# KiCad board HYDRA_VMM3_Adapter_V3.kicad_pcb (continued)
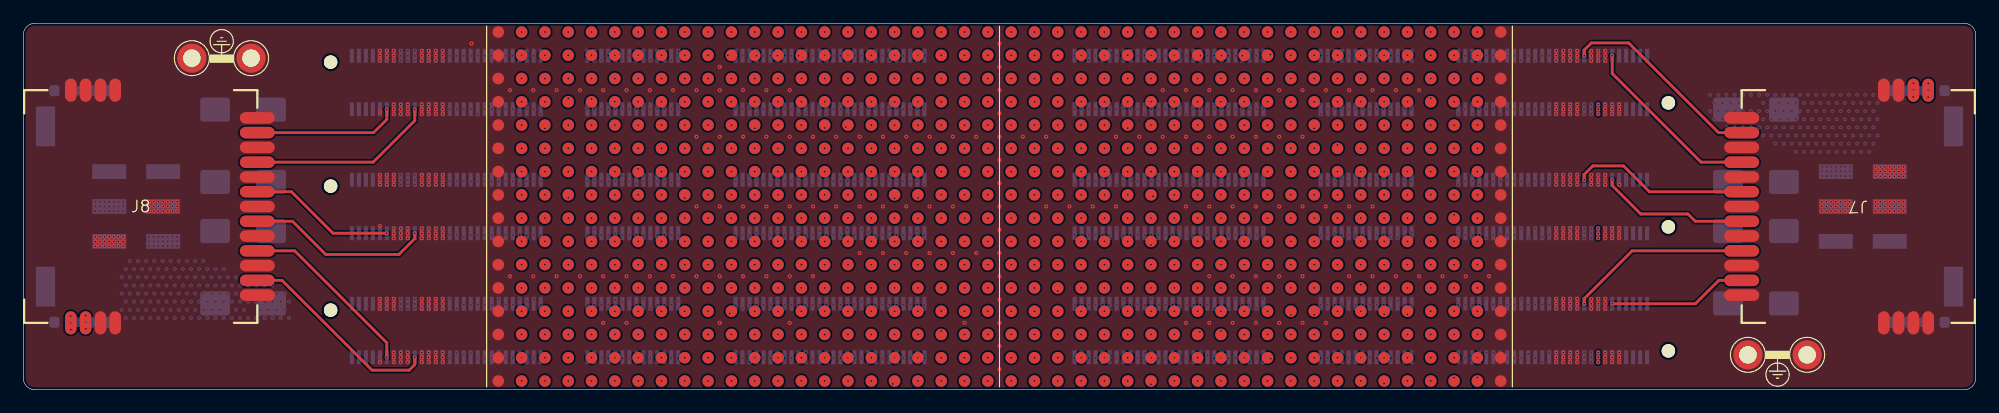
[diagram p0: board, top side]
## Nets (continued)
Col_17-Row_2: J4.B61 U1.258
Col_17-Row_3: J4.B62 U1.259
Col_17-Row_4: J4.A53 U1.260
Col_17-Row_5: J4.A52 U1.261
Col_17-Row_6: J5.B55 U1.262
Col_17-Row_7: J5.B54 U1.263
Col_17-Row_8: J5.B53 U1.264
Col_17-Row_9: J5.A59 U1.265
Col_17-Row_10: J5.A60 U1.266
Col_17-Row_11: J6.B55 U1.267
Col_17-Row_12: J6.B54 U1.268
Col_17-Row_13: J6.B53 U1.269
Col_17-Row_14: J6.A53 U1.270
Col_17-Row_15: J6.A54 U1.271
Col_17-Row_16: J6.A55 U1.272
Col_18-Row_1: J4.B63 U1.273
Col_18-Row_2: J4.B64 U1.274
Col_18-Row_3: J4.B65 U1.275
Col_18-Row_4: J4.A55 U1.276
Col_18-Row_5: J4.A54 U1.277
Col_18-Row_6: J5.B58 U1.278
Col_18-Row_7: J5.B57 U1.279
Col_18-Row_8: J5.B56 U1.280
Col_18-Row_9: J5.A61 U1.281
Col_18-Row_10: J5.A62 U1.282
Col_18-Row_11: J6.B58 U1.283
Col_18-Row_12: J6.B57 U1.284
Col_18-Row_13: J6.B56 U1.285
Col_18-Row_14: J6.A56 U1.286
Col_18-Row_15: J6.A57 U1.287
Col_18-Row_16: J6.A58 U1.288
Col_19-Row_1: J4.B66 U1.291
Col_19-Row_2: J4.B67 U1.290
Col_19-Row_3: J4.B68 U1.289
Col_19-Row_4: J4.A57 U1.292
Col_19-Row_5: J4.A56 U1.293
Col_19-Row_6: J5.B61 U1.294
Col_19-Row_7: J5.B60 U1.295
Col_19-Row_8: J5.B59 U1.296
Col_19-Row_9: J5.A63 U1.297
Col_19-Row_10: J5.A64 U1.298
Col_19-Row_11: J6.B61 U1.299
Col_19-Row_12: J6.B60 U1.300
Col_19-Row_13: J6.B59 U1.301
Col_19-Row_14: J6.A59 U1.302
Col_19-Row_15: J6.A60 U1.303
Col_19-Row_16: J6.A61 U1.304
Col_20-Row_1: J4.B69 U1.305
Col_20-Row_2: J4.B70 U1.306
Col_20-Row_3: J4.A59 U1.307
Col_20-Row_4: J4.A60 U1.308
Col_20-Row_5: J4.A58 U1.309
Col_20-Row_6: J5.B64 U1.310
Col_20-Row_7: J5.B63 U1.311
Col_20-Row_8: J5.B62 U1.312
Col_20-Row_9: J5.A65 U1.313
Col_20-Row_10: J5.A66 U1.314
Col_20-Row_11: J6.B64 U1.315
Col_20-Row_12: J6.B63 U1.316
Col_20-Row_13: J6.B62 U1.317
Col_20-Row_14: J6.A62 U1.318
Col_20-Row_15: J6.A63 U1.319
Col_20-Row_16: J6.A64 U1.320
Col_21-Row_1: J4.A63 U1.321
Col_21-Row_2: J4.A64 U1.322
Col_21-Row_3: J4.A65 U1.323
Col_21-Row_4: J4.A62 U1.324
Col_21-Row_5: J4.A61 U1.325
Col_21-Row_6: J5.B67 U1.326
Col_21-Row_7: J5.B66 U1.327
Col_21-Row_8: J5.B65 U1.328
Col_21-Row_9: J5.A67 U1.329
Col_21-Row_10: J5.A68 U1.330
Col_21-Row_11: J6.B67 U1.331
Col_21-Row_12: J6.B66 U1.332
Col_21-Row_13: J6.B65 U1.333
Col_21-Row_14: J6.A65 U1.334
Col_21-Row_15: J6.A66 U1.335
Col_21-Row_16: J6.A67 U1.336
Col_22-Row_1: J4.A68 U1.337
Col_22-Row_2: J4.A69 U1.338
Col_22-Row_3: J4.A70 U1.339
Col_22-Row_4: J4.A67 U1.340
Col_22-Row_5: J4.A66 U1.341
Col_22-Row_6: J5.B70 U1.342
Col_22-Row_7: J5.B69 U1.343
Col_22-Row_8: J5.B68 U1.344
Col_22-Row_9: J5.A69 U1.345
Col_22-Row_10: J5.A70 U1.346
Col_22-Row_11: J6.B70 U1.347
Col_22-Row_12: J6.B69 U1.348
Col_22-Row_13: J6.B68 U1.349
Col_22-Row_14: J6.A68 U1.350
Col_22-Row_15: J6.A69 U1.351
Col_22-Row_16: J6.A70 U1.352
Col_23-Row_1: J1.B68 U1.353
Col_23-Row_2: J1.B69 U1.354
Col_23-Row_3: J1.B70 U1.355
Col_23-Row_4: J1.B67 U1.356
Col_23-Row_5: J1.B66 U1.357
Col_23-Row_6: J2.A68 U1.358
Col_23-Row_7: J2.A69 U1.359
Col_23-Row_8: J2.A70 U1.360
Col_23-Row_9: J2.B70 U1.361
Col_23-Row_10: J2.B69 U1.362
Col_23-Row_11: J3.A70 U1.363
Col_23-Row_12: J3.A69 U1.364
Col_23-Row_13: J3.A68 U1.365
Col_23-Row_14: J3.B68 U1.366
Col_23-Row_15: J3.B69 U1.367
Col_23-Row_16: J3.B70 U1.368
Col_24-Row_1: J1.B63 U1.369
Col_24-Row_2: J1.B64 U1.370
Col_24-Row_3: J1.B65 U1.371
Col_24-Row_4: J1.B62 U1.372
Col_24-Row_5: J1.B61 U1.373
Col_24-Row_6: J2.A65 U1.374
Col_24-Row_7: J2.A66 U1.375
Col_24-Row_8: J2.A67 U1.376
Col_24-Row_9: J2.B68 U1.377
Col_24-Row_10: J2.B67 U1.378
Col_24-Row_11: J3.A67 U1.379
Col_24-Row_12: J3.A66 U1.380
Col_24-Row_13: J3.A65 U1.381
Col_24-Row_14: J3.B65 U1.382
Col_24-Row_15: J3.B66 U1.383
Col_24-Row_16: J3.B67 U1.384
Col_25-Row_1: J1.A69 U1.385
Col_25-Row_2: J1.A70 U1.386
Col_25-Row_3: J1.B59 U1.387
Col_25-Row_4: J1.B60 U1.388
Col_25-Row_5: J1.B58 U1.389
Col_25-Row_6: J2.A62 U1.390
Col_25-Row_7: J2.A63 U1.391
Col_25-Row_8: J2.A64 U1.392
Col_25-Row_9: J2.B66 U1.393
Col_25-Row_10: J2.B65 U1.394
Col_25-Row_11: J3.A64 U1.395
Col_25-Row_12: J3.A63 U1.396
Col_25-Row_13: J3.A62 U1.397
Col_25-Row_14: J3.B62 U1.398
Col_25-Row_15: J3.B63 U1.399
Col_25-Row_16: J3.B64 U1.400
Col_26-Row_1: J1.A66 U1.401
Col_26-Row_2: J1.A67 U1.402
Col_26-Row_3: J1.A68 U1.403
Col_26-Row_4: J1.B57 U1.404
Col_26-Row_5: J1.B56 U1.405
Col_26-Row_6: J2.A59 U1.406
Col_26-Row_7: J2.A60 U1.407
Col_26-Row_8: J2.A61 U1.408
Col_26-Row_9: J2.B64 U1.409
Col_26-Row_10: J2.B63 U1.410
Col_26-Row_11: J3.A61 U1.411
Col_26-Row_12: J3.A60 U1.412
Col_26-Row_13: J3.A59 U1.413
Col_26-Row_14: J3.B59 U1.414
Col_26-Row_15: J3.B60 U1.415
Col_26-Row_16: J3.B61 U1.416
Col_27-Row_1: J1.A63 U1.417
Col_27-Row_2: J1.A64 U1.418
Col_27-Row_3: J1.A65 U1.419
Col_27-Row_4: J1.B55 U1.420
Col_27-Row_5: J1.B54 U1.421
Col_27-Row_6: J2.A56 U1.422
Col_27-Row_7: J2.A57 U1.423
Col_27-Row_8: J2.A58 U1.424
Col_27-Row_9: J2.B62 U1.425
Col_27-Row_10: J2.B61 U1.426
Col_27-Row_11: J3.A58 U1.427
Col_27-Row_12: J3.A57 U1.428
Col_27-Row_13: J3.A56 U1.429
Col_27-Row_14: J3.B56 U1.430
Col_27-Row_15: J3.B57 U1.431
Col_27-Row_16: J3.B58 U1.432
Col_28-Row_1: J1.A60 U1.433
Col_28-Row_2: J1.A61 U1.434
Col_28-Row_3: J1.A62 U1.435
Col_28-Row_4: J1.B53 U1.436
Col_28-Row_5: J1.B52 U1.437
Col_28-Row_6: J2.A53 U1.438
Col_28-Row_7: J2.A54 U1.439
Col_28-Row_8: J2.A55 U1.440
Col_28-Row_9: J2.B60 U1.441
Col_28-Row_10: J2.B59 U1.442
Col_28-Row_11: J3.A55 U1.443
Col_28-Row_12: J3.A54 U1.444
Col_28-Row_13: J3.A53 U1.445
Col_28-Row_14: J3.B53 U1.446
Col_28-Row_15: J3.B54 U1.447
Col_28-Row_16: J3.B55 U1.448
Col_29-Row_1: J1.A57 U1.449
Col_29-Row_2: J1.A58 U1.450
Col_29-Row_3: J1.A59 U1.451
Col_29-Row_4: J1.B51 U1.452
Col_29-Row_5: J1.B50 U1.453
Col_29-Row_6: J2.A50 U1.454
Col_29-Row_7: J2.A51 U1.455
Col_29-Row_8: J2.A52 U1.456
Col_29-Row_9: J2.B58 U1.457
Col_29-Row_10: J2.B57 U1.458
Col_29-Row_11: J3.A52 U1.459
Col_29-Row_12: J3.A51 U1.460
Col_29-Row_13: J3.A50 U1.461
Col_29-Row_14: J3.B50 U1.462
Col_29-Row_15: J3.B51 U1.463
Col_29-Row_16: J3.B52 U1.464
Col_30-Row_1: J1.A54 U1.465
Col_30-Row_2: J1.A55 U1.466
Col_30-Row_3: J1.A56 U1.467
Col_30-Row_4: J1.B49 U1.468
Col_30-Row_5: J1.B48 U1.469
Col_30-Row_6: J2.A47 U1.470
Col_30-Row_7: J2.A48 U1.471
Col_30-Row_8: J2.A49 U1.472
Col_30-Row_9: J2.B56 U1.473
Col_30-Row_10: J2.B55 U1.474
Col_30-Row_11: J2.B54 U1.475
Col_30-Row_12: J3.A49 U1.476
Col_30-Row_13: J3.A48 U1.477
Col_30-Row_14: J3.B47 U1.478
Col_30-Row_15: J3.B48 U1.479
Col_30-Row_16: J3.B49 U1.480
Col_31-Row_1: J1.A51 U1.481
Col_31-Row_2: J1.A52 U1.482
Col_31-Row_3: J1.A53 U1.483
Col_31-Row_4: J1.B47 U1.484
Col_31-Row_5: J1.B46 U1.485
Col_31-Row_6: J2.A44 U1.486
Col_31-Row_7: J2.A45 U1.487
Col_31-Row_8: J2.A46 U1.488
Col_31-Row_9: J2.B53 U1.489
Col_31-Row_10: J2.B52 U1.490
Col_31-Row_11: J2.B51 U1.491
Col_31-Row_12: J3.A47 U1.492
Col_31-Row_13: J3.A46 U1.493
Col_31-Row_14: J3.B44 U1.494
Col_31-Row_15: J3.B45 U1.495
Col_31-Row_16: J3.B46 U1.496
Col_32-Row_1: J1.A48 U1.497
Col_32-Row_2: J1.A49 U1.498
Col_32-Row_3: J1.A50 U1.499
Col_32-Row_4: J1.B45 U1.500
Col_32-Row_5: J1.B44 U1.501
Col_32-Row_6: J2.A41 U1.502
Col_32-Row_7: J2.A42 U1.503
Col_32-Row_8: J2.A43 U1.504
Col_32-Row_9: J2.B50 U1.505
Col_32-Row_10: J2.B49 U1.506
Col_32-Row_11: J2.B48 U1.507
Col_32-Row_12: J3.A45 U1.508
Col_32-Row_13: J3.A44 U1.509
Col_32-Row_14: J3.B41 U1.510
Col_32-Row_15: J3.B42 U1.511
Col_32-Row_16: J3.B43 U1.512
Col_33-Row_1: J1.A45 U1.513
Col_33-Row_2: J1.A46 U1.514
Col_33-Row_3: J1.A47 U1.515
Col_33-Row_4: J1.B43 U1.516
Col_33-Row_5: J1.B42 U1.517
Col_33-Row_6: J2.A38 U1.518
Col_33-Row_7: J2.A39 U1.519
Col_33-Row_8: J2.A40 U1.520
Col_33-Row_9: J2.B47 U1.521
Col_33-Row_10: J2.B46 U1.522
Col_33-Row_11: J2.B45 U1.523
Col_33-Row_12: J3.A43 U1.524
Col_33-Row_13: J3.A42 U1.525
Col_33-Row_14: J3.B38 U1.526
Col_33-Row_15: J3.B39 U1.527
Col_33-Row_16: J3.B40 U1.528
Col_34-Row_1: J1.A42 U1.529
Col_34-Row_2: J1.A43 U1.530
Col_34-Row_3: J1.A44 U1.531
Col_34-Row_4: J1.B41 U1.532
Col_34-Row_5: J1.B40 U1.533
Col_34-Row_6: J2.A35 U1.534
Col_34-Row_7: J2.A36 U1.535
Col_34-Row_8: J2.A37 U1.536
Col_34-Row_9: J2.B44 U1.537
Col_34-Row_10: J2.B43 U1.538
Col_34-Row_11: J2.B42 U1.539
Col_34-Row_12: J3.A41 U1.540
Col_34-Row_13: J3.A40 U1.541
Col_34-Row_14: J3.B35 U1.542
Col_34-Row_15: J3.B36 U1.543
Col_34-Row_16: J3.B37 U1.544
Col_35-Row_1: J1.A39 U1.545
Col_35-Row_2: J1.A40 U1.546
Col_35-Row_3: J1.A41 U1.547
Col_35-Row_4: J1.B39 U1.548
Col_35-Row_5: J1.B38 U1.549
Col_35-Row_6: J2.A32 U1.550
Col_35-Row_7: J2.A33 U1.551
Col_35-Row_8: J2.A34 U1.552
Col_35-Row_9: J2.B41 U1.553
Col_35-Row_10: J2.B40 U1.554
Col_35-Row_11: J2.B39 U1.555
Col_35-Row_12: J3.A39 U1.556
Col_35-Row_13: J3.A38 U1.557
Col_35-Row_14: J3.B32 U1.558
Col_35-Row_15: J3.B33 U1.559
Col_35-Row_16: J3.B34 U1.560
Col_36-Row_1: J1.A36 U1.561
Col_36-Row_2: J1.A37 U1.562
Col_36-Row_3: J1.A38 U1.563
Col_36-Row_4: J1.B37 U1.564
Col_36-Row_5: J1.B36 U1.565
Col_36-Row_6: J2.A29 U1.566
Col_36-Row_7: J2.A30 U1.567
Col_36-Row_8: J2.A31 U1.568
Col_36-Row_9: J2.B38 U1.569
Col_36-Row_10: J2.B37 U1.570
Col_36-Row_11: J2.B36 U1.571
Col_36-Row_12: J3.A37 U1.572
Col_36-Row_13: J3.A36 U1.573
Col_36-Row_14: J3.B29 U1.574
Col_36-Row_15: J3.B30 U1.575
Col_36-Row_16: J3.B31 U1.576
Col_37-Row_1: J1.A33 U1.577
Col_37-Row_2: J1.A34 U1.578
Col_37-Row_3: J1.A35 U1.579
Col_37-Row_4: J1.B33 U1.580
Col_37-Row_5: J1.B34 U1.581
Col_37-Row_6: J1.B35 U1.582
Col_37-Row_7: J2.A27 U1.583
Col_37-Row_8: J2.A28 U1.584
Col_37-Row_9: J2.B35 U1.585
Col_37-Row_10: J2.B34 U1.586
Col_37-Row_11: J2.B33 U1.587
Col_37-Row_12: J3.A35 U1.588
Col_37-Row_13: J3.A34 U1.589
Col_37-Row_14: J3.B26 U1.590
Col_37-Row_15: J3.B27 U1.591
Col_37-Row_16: J3.B28 U1.592
Col_38-Row_1: J1.A29 U1.593
Col_38-Row_2: J1.A31 U1.594
Col_38-Row_3: J1.A32 U1.595
Col_38-Row_4: J1.B30 U1.596
Col_38-Row_5: J1.B31 U1.597
Col_38-Row_6: J1.B32 U1.598
Col_38-Row_7: J2.A25 U1.599
Col_38-Row_8: J2.A26 U1.600
Col_38-Row_9: J2.B32 U1.601
Col_38-Row_10: J2.B31 U1.602
Col_38-Row_11: J2.B30 U1.603
Col_38-Row_12: J3.A33 U1.604
Col_38-Row_13: J3.A32 U1.605
Col_38-Row_14: J3.B23 U1.606
Col_38-Row_15: J3.B24 U1.607
Col_38-Row_16: J3.B25 U1.608
Col_39-Row_1: J1.A27 U1.609
Col_39-Row_2: J1.A28 U1.610
Col_39-Row_3: J1.A30 U1.611
Col_39-Row_4: J1.B27 U1.612
Col_39-Row_5: J1.B28 U1.613
Col_39-Row_6: J1.B29 U1.614
Col_39-Row_7: J2.A23 U1.615
Col_39-Row_8: J2.A24 U1.616
Col_39-Row_9: J2.B29 U1.617
Col_39-Row_10: J2.B28 U1.618
Col_39-Row_11: J2.B27 U1.619
Col_39-Row_12: J3.A31 U1.620
Col_39-Row_13: J3.A30 U1.621
Col_39-Row_14: J3.B20 U1.622
Col_39-Row_15: J3.B21 U1.623
Col_39-Row_16: J3.B22 U1.624
Col_40-Row_1: J1.A24 U1.625
Col_40-Row_2: J1.A25 U1.626
Col_40-Row_3: J1.A26 U1.627
Col_40-Row_4: J1.B24 U1.628
Col_40-Row_5: J1.B25 U1.629
Col_40-Row_6: J1.B26 U1.630
Col_40-Row_7: J2.A21 U1.631
Col_40-Row_8: J2.A22 U1.632
Col_40-Row_9: J2.B26 U1.633
Col_40-Row_10: J2.B25 U1.634
Col_40-Row_11: J2.B24 U1.635
Col_40-Row_12: J3.A29 U1.636
Col_40-Row_13: J3.A28 U1.637
Col_40-Row_14: J3.B17 U1.638
Col_40-Row_15: J3.B18 U1.639
Col_40-Row_16: J3.B19 U1.640
Col_41-Row_1: J1.A21 U1.641
Col_41-Row_2: J1.A22 U1.642
Col_41-Row_3: J1.A23 U1.643
Col_41-Row_4: J1.B21 U1.644
Col_41-Row_5: J1.B22 U1.645
Col_41-Row_6: J1.B23 U1.646
Col_41-Row_7: J2.A19 U1.647
Col_41-Row_8: J2.A20 U1.648
Col_41-Row_9: J2.B23 U1.649
Col_41-Row_10: J2.B22 U1.650
Col_41-Row_11: J2.B21 U1.651
Col_41-Row_12: J3.A27 U1.652
Col_41-Row_13: J3.A26 U1.653
Col_41-Row_14: J3.A21 U1.654
Col_41-Row_15: J3.B15 U1.655
Col_41-Row_16: J3.B16 U1.656
Col_42-Row_1: J1.A18 U1.657
Col_42-Row_2: J1.A19 U1.658
Col_42-Row_3: J1.A20 U1.659
Col_42-Row_4: J1.B18 U1.660
Col_42-Row_5: J1.B19 U1.661
Col_42-Row_6: J1.B20 U1.662
Col_42-Row_7: J2.A17 U1.663
Col_42-Row_8: J2.A18 U1.664
Col_42-Row_9: J2.B20 U1.665
Col_42-Row_10: J2.B19 U1.666
Col_42-Row_11: J2.B18 U1.667
Col_42-Row_12: J3.A25 U1.668
Col_42-Row_13: J3.A24 U1.669
Col_42-Row_14: J3.A18 U1.670
Col_42-Row_15: J3.A19 U1.671
Col_42-Row_16: J3.A20 U1.672
Col_43-Row_1: J1.A15 U1.673
Col_43-Row_2: J1.A16 U1.674
Col_43-Row_3: J1.A17 U1.675
Col_43-Row_4: J1.B15 U1.676
Col_43-Row_5: J1.B16 U1.677
Col_43-Row_6: J1.B17 U1.678
Col_43-Row_7: J2.A15 U1.679
Col_43-Row_8: J2.A16 U1.680
Col_43-Row_9: J2.B17 U1.681
Col_43-Row_10: J2.B16 U1.682
Col_43-Row_11: J2.B15 U1.683
Col_43-Row_12: J3.A23 U1.684
Col_43-Row_13: J3.A22 U1.685
Col_43-Row_14: J3.A15 U1.686
Col_43-Row_15: J3.A16 U1.687
Col_43-Row_16: J3.A17 U1.688
Heimtime_A: J4.A10 J5.A10 J6.A10 J8.4 J8.6 J8.8
Heimtime_B: J1.A10 J2.A10 J3.A10 J7.4 J7.6 J7.8
Master_Trigg_A: J4.A6 J5.A6 J6.A6 J8.3 J8.5 J8.7
Master_Trigg_B: J1.A6 J2.A6 J3.A6 J7.3 J7.5 J7.7
P1A: C2.1 C5.1 Input_A1.6 J4.B8 J4.B9 J4.B10 J5.B8 J5.B9 J5.B10 J6.B8 J6.B9 J6.B10 J8.1 R1.1
P1B: C3.1 C7.1 Input_B1.6 J1.B8 J1.B9 J1.B10 J2.B8 J2.B9 J2.B10 J3.B8 J3.B9 J3.B10 J7.1 R3.1
P2A: C1.1 C8.1 Input_A1.1 Input_A1.4 J4.A1 J4.A2 J4.A3 J4.A4 J4.B1 J4.B2 J4.B3 J4.B4 J5.A1 J5.A2 J5.A3 J5.A4 J5.B1 J5.B2 J5.B3 J5.B4 J6.A1 J6.A2 J6.A3 J6.A4 J6.B1 J6.B2 J6.B3 J6.B4 R2.1
P2B: C4.1 C6.1 Input_B1.1 Input_B1.4 J1.A1 J1.A2 J1.A3 J1.A4 J1.B1 J1.B2 J1.B3 J1.B4 J2.A1 J2.A2 J2.A3 J2.A4 J2.B1 J2.B2 J2.B3 J2.B4 J3.A1 J3.A2 J3.A3 J3.A4 J3.B1 J3.B2 J3.B3 J3.B4 R4.1
Net-(D1-A): D1.2 R1.2
Net-(D2-A): D2.2 R2.2
Net-(D3-A): D3.2 R3.2
Net-(D4-A): D4.2 R4.2

## Via types
v1: diameter 0.35, hole 0.15, Top to In1.Cu, 238 vias
v2: diameter 0.35, hole 0.15, In1.Cu to In5.Cu, 68 vias
v3: diameter 0.35, hole 0.15, In5.Cu to Bottom, 745 vias
v4: diameter 0.35, hole 0.15, Top to In3.Cu, 129 vias
v5: diameter 0.35, hole 0.15, In3.Cu to Bottom, 123 vias
v6: diameter 0.35, hole 0.15, In1.Cu to Bottom, 187 vias
v7: diameter 0.35, hole 0.15, Top to In5.Cu, 311 vias
v8: diameter 0.35, hole 0.15, Top to Bottom, 523 vias
v9: diameter 0.35, hole 0.15, In3.Cu to In5.Cu, 12 vias
v10: diameter 0.35, hole 0.15, In1.Cu to In3.Cu, 10 vias
v11: diameter 0.35, hole 0.15, In1.Cu to In2.Cu, 87 vias
v12: diameter 0.35, hole 0.15, In2.Cu to In4.Cu, 47 vias
v13: diameter 0.35, hole 0.15, In3.Cu to In4.Cu, 22 vias
v14: diameter 0.35, hole 0.15, In5.Cu to In6.Cu, 149 vias
v15: diameter 0.35, hole 0.15, In1.Cu to In6.Cu, 1 via

## Routing (per net, layer and track width the routed paths; a pad name or vN(x,y) marks a point on that pad's centre or on a via; arc(x,y) is an arc through that point)
GND:
  vias: v6(6.17,16.15) v6(6.17,15.75) v6(6.17,15.35) v6(6.57,16.15) v6(6.57,15.75) v6(6.57,15.35) v6(6.97,16.15) v6(6.97,15.75) v6(6.97,15.35) v6(7.37,16.15) v6(7.37,15.75) v6(7.37,15.35) v6(7.77,16.15) v6(7.77,15.75) v6(7.77,15.35) v6(8.17,16.15) v6(8.17,15.75) v6(8.17,15.35) v6(8.57,16.15) v6(8.57,15.75) v6(8.57,15.35) v8(6.17,13.15) v8(6.17,12.75) v8(6.17,12.35) v8(6.57,13.15) v8(6.57,12.75) v8(6.57,12.35) v8(6.97,13.15) v8(6.97,12.75) v8(6.97,12.35) v8(7.37,13.15) v8(7.37,12.75) v8(7.37,12.35) v8(7.77,13.15) v8(7.77,12.75) v8(7.77,12.35) v8(8.17,13.15) v8(8.17,12.75) v8(8.17,12.35) v8(8.57,13.15) v8(8.57,12.75) v8(8.57,12.35) v8(10.8,16.15) v8(10.8,15.75) v8(10.8,15.35) v8(11.2,16.15) v8(11.2,15.75) v8(11.2,15.35) v8(11.6,16.15) v8(11.6,15.75) v8(11.6,15.35) v8(12,16.15) v8(12,15.75) v8(12,15.35) v8(12.4,16.15) v8(12.4,15.75) v8(12.4,15.35) v8(12.8,16.15) v8(12.8,15.75) v8(12.8,15.35) v8(13.2,16.15) v8(13.2,15.75) v8(13.2,15.35) v8(30.59,29.13) v8(30.59,28.71) v8(30.59,28.3) v8(30.59,23.87) v8(30.59,18.47) v8(30.59,18.05) v8(30.59,17.64) v8(30.59,14.07) v8(30.59,7.8) v8(30.59,7.38) v8(30.59,6.97) v8(30.59,2.37) v8(31.19,29.13) v8(31.19,28.71) v8(31.19,28.3) v8(31.19,18.47) v8(31.19,18.05) v8(31.19,17.64) v8(31.19,7.8) v8(31.19,7.38) v8(31.19,6.97) v8(31.78,29.13) v8(31.78,28.71) v8(31.78,28.3) v8(31.78,24.53) v8(31.78,24.11) v8(31.78,23.7) v8(31.78,18.47) v8(31.78,18.05) v8(31.78,17.64) v8(31.78,13.86) v8(31.78,13.46) v8(31.78,13.03) v8(31.78,7.8) v8(31.78,7.38) v8(31.78,6.97) v8(31.78,3.19) v8(31.78,2.79) v8(31.78,2.38) v8(32.38,24.52) v8(32.38,24.12) v8(32.38,23.69) v8(32.38,13.86) v8(32.38,13.46) v8(32.38,13.03) v8(32.38,3.19) v8(32.38,2.79) v8(32.38,2.36) v8(32.98,13.85) v8(32.98,13.45) v8(32.98,13.02) v8(32.98,3.21) v8(32.98,2.81) v8(32.98,2.38) v8(32.99,24.53) v8(32.99,24.13) v8(32.99,23.7) v8(34.19,29.12) v8(34.19,28.7) v8(34.19,28.29) v8(34.19,24.53) v8(34.19,24.11) v8(34.19,23.7) v8(34.19,18.46) v8(34.19,18.04) v8(34.19,17.63) v8(34.19,13.86) v8(34.19,13.44) v8(34.19,13.03) v8(34.19,7.79) v8(34.19,7.37) v8(34.19,6.96) v8(34.19,3.21) v8(34.19,2.79) v8(34.19,2.38) v8(34.78,29.12) v8(34.78,28.7) v8(34.78,28.29) v8(34.78,24.53) v8(34.78,24.11) v8(34.78,23.7) v8(34.78,18.46) v8(34.78,18.04) v8(34.78,17.63) v8(34.78,13.86) v8(34.78,13.44) v8(34.78,13.03) v8(34.78,7.79) v8(34.78,7.37) v8(34.78,6.96) v8(34.78,3.21) v8(34.78,2.79) v8(34.78,2.38) v8(35.39,29.13) v8(35.39,28.71) v8(35.39,28.3) v8(35.39,24.53) v8(35.39,24.11) v8(35.39,23.7) v8(35.39,18.47) v8(35.39,18.05) v8(35.39,17.64) v8(35.39,13.86) v8(35.39,13.44) v8(35.39,13.03) v8(35.39,7.8) v8(35.39,7.38) v8(35.39,6.97) v8(35.39,3.21) v8(35.39,2.79) v8(35.39,2.38) v8(35.98,29.13) v8(35.98,28.71) v8(35.98,28.3) v8(35.98,24.53) v8(35.98,24.11) v8(35.98,23.7) v8(35.98,18.47) v8(35.98,18.05) v8(35.98,17.64) v8(35.98,13.86) v8(35.98,13.44) v8(35.98,13.03) v8(35.98,7.8) v8(35.98,7.38) v8(35.98,6.97) v8(35.98,3.21) v8(35.98,2.79) v8(35.98,2.38) v8(38.45,29.76) v8(41.75,25.75) v8(41.75,9.75) v8(43.75,25.75) v8(43.75,9.75) v8(45.75,25.75) v8(45.75,9.75) v8(47.75,25.75) v8(47.75,9.75) v8(49.75,25.75) v8(49.75,9.75) v8(49.75,5.75) v8(51.75,25.75) v8(51.75,9.75) v8(51.75,5.75) v8(53.75,25.75) v8(53.75,9.75) v8(55.75,25.75) v8(55.75,9.75) v8(57.75,25.75) v8(57.75,21.75) v8(57.75,15.75) v8(57.75,9.75) v8(59.75,27.75) v8(59.75,25.75) v8(59.75,21.75) v8(59.75,15.75) v8(59.75,9.75) v8(59.75,5.75) v8(61.75,25.75) v8(61.75,21.75) v8(61.75,15.75) v8(61.75,9.75) v8(63.75,25.75) v8(63.75,21.75) v8(63.75,15.75) v8(63.75,9.75) v8(65.75,25.75) v8(65.75,21.75) v8(65.75,15.75) v8(65.75,9.75) v8(65.75,5.75) v8(67.75,21.75) v8(67.75,15.75) v8(67.75,9.75) v8(69.75,21.75) v8(69.75,15.75) v8(71.75,21.75) v8(71.75,15.75) v8(71.75,11.75) v8(73.75,21.75) v8(73.75,15.75) v8(73.75,11.75) v8(75.75,21.75) v8(75.75,15.75) v8(75.75,11.75) v8(77.75,21.75) v8(77.75,15.75) v8(77.75,11.75) v8(79.75,21.75) v8(79.75,15.75) v8(79.75,11.75) v8(80.75,5.75) v8(81.75,21.75) v8(81.75,11.75) v8(83.75,29.75) v8(83.75,27.75) v8(83.75,25.75) v8(83.75,23.75) v8(83.75,21.75) v8(83.75,19.75) v8(83.75,17.75) v8(83.75,15.75) v8(83.75,13.75) v8(83.75,11.75) v8(83.75,9.75) v8(83.75,7.75) v8(83.75,5.75) v8(83.75,3.75) v8(83.75,1.75) v8(85.75,21.75) v8(87.75,21.75) v8(87.75,15.75) v8(89.75,15.75) v8(91.75,15.75) v8(93.75,21.75) v8(93.75,15.75) v8(95.75,21.75) v8(97.75,25.75) v8(97.75,21.75) v8(99.75,25.75) v8(99.75,21.75) v8(99.75,15.75) v8(99.75,5.75) v8(101.75,25.75) v8(101.75,21.75) v8(101.75,15.75) v8(101.75,9.75) v8(101.75,5.75) v8(103.75,25.75) v8(103.75,21.75) v8(103.75,15.75) v8(103.75,9.75) v8(103.75,5.75) v8(105.75,25.75) v8(105.75,21.75) v8(105.75,15.75) v8(105.75,9.75) v8(105.75,5.75) v8(107.75,25.75) v8(107.75,21.75) v8(107.75,15.75) v8(107.75,9.75) v8(107.75,5.75) v8(109.75,25.75) v8(109.75,21.75) v8(109.75,15.75) v8(109.75,9.75) v8(109.75,5.75) v8(111.75,25.75) v8(111.75,15.75) v8(111.75,5.75) v8(113.75,25.75) v8(113.75,15.75) v8(113.75,9.75) v8(115.75,25.75) v8(115.75,15.75) v8(115.75,9.75) v8(117.75,25.75) v8(117.75,9.75) v8(119.75,25.75) v8(119.75,9.75) v8(121.75,9.75) v8(123.75,9.75) v8(125.75,9.75) v8(131.52,29.13) v8(131.52,28.71) v8(131.52,28.3) v8(131.52,24.53) v8(131.52,24.11) v8(131.52,23.7) v8(131.52,18.47) v8(131.52,18.05) v8(131.52,17.64) v8(131.52,13.87) v8(131.52,13.45) v8(131.52,13.04) v8(131.52,7.81) v8(131.52,7.39) v8(131.52,6.98) v8(131.52,3.21) v8(131.52,2.79) v8(131.52,2.38) v8(132.12,29.13) v8(132.12,28.71) v8(132.12,28.3) v8(132.12,24.53) v8(132.12,24.11) v8(132.12,23.7) v8(132.12,18.47) v8(132.12,18.05) v8(132.12,17.64) v8(132.12,13.87) v8(132.12,13.45) v8(132.12,13.04) v8(132.12,7.81) v8(132.12,7.39) v8(132.12,6.98) v8(132.12,3.21) v8(132.12,2.79) v8(132.12,2.38) v8(132.72,29.13) v8(132.72,28.71) v8(132.72,28.3) v8(132.72,24.53) v8(132.72,24.11) v8(132.72,23.7) v8(132.72,18.47) v8(132.72,18.05) v8(132.72,17.64) v8(132.72,13.87) v8(132.72,13.45) v8(132.72,13.04) v8(132.72,7.81) v8(132.72,7.39) v8(132.72,6.98) v8(132.72,3.21) v8(132.72,2.79) v8(132.72,2.38) v8(133.31,29.13) v8(133.31,28.71) v8(133.31,28.3) v8(133.31,24.53) v8(133.31,24.11) v8(133.31,23.7) v8(133.31,18.47) v8(133.31,18.05) v8(133.31,17.64) v8(133.31,13.87) v8(133.31,13.45) v8(133.31,13.04) v8(133.31,7.81) v8(133.31,7.39) v8(133.31,6.98) v8(133.31,3.21) v8(133.31,2.79) v8(133.31,2.38) v8(134.52,29.11) v8(134.52,28.69) v8(134.52,28.28) v8(134.52,18.47) v8(134.52,18.05) v8(134.52,17.64) v8(134.52,7.8) v8(134.52,7.38) v8(134.52,6.97) v8(135.12,29.11) v8(135.12,28.69) v8(135.12,28.28) v8(135.11,18.46) v8(135.11,18.04) v8(135.11,17.63) v8(135.12,7.8) v8(135.12,7.38) v8(135.12,6.97) v8(135.72,29.11) v8(135.72,28.69) v8(135.72,28.28) v8(135.72,24.52) v8(135.72,24.1) v8(135.72,23.69) v8(135.72,18.46) v8(135.72,18.04) v8(135.72,17.63) v8(135.72,13.86) v8(135.72,13.44) v8(135.72,13.03) v8(135.72,7.8) v8(135.72,7.38) v8(135.72,6.97) v8(135.72,3.2) v8(135.72,2.78) v8(135.72,2.37) v8(136.31,24.53) v8(136.31,24.11) v8(136.31,23.7) v8(136.31,13.87) v8(136.31,13.45) v8(136.31,13.04) v8(136.31,3.21) v8(136.31,2.79) v8(136.31,2.38) v8(136.91,24.53) v8(136.91,24.11) v8(136.91,23.7) v8(136.92,17.62) v8(136.91,13.87) v8(136.91,13.45) v8(136.91,13.04) v8(136.91,3.21) v8(136.91,2.79) v8(136.91,2.38) v8(154.29,16.15) v8(154.29,15.75) v8(154.29,15.35) v8(154.69,16.15) v8(154.69,15.75) v8(154.69,15.35) v8(155.09,16.15) v8(155.09,15.75) v8(155.09,15.35) v8(155.49,16.15) v8(155.49,15.75) v8(155.49,15.35) v8(155.89,16.15) v8(155.89,15.75) v8(155.89,15.35) v8(156.29,16.15) v8(156.29,15.75) v8(156.29,15.35) v8(156.69,16.15) v8(156.69,15.75) v8(156.69,15.35) v8(158.91,19.15) v8(158.91,18.75) v8(158.91,18.35) v8(158.91,16.15) v8(158.91,15.75) v8(158.91,15.35) v8(159.31,19.15) v8(159.31,18.75) v8(159.31,18.35) v8(159.31,16.15) v8(159.31,15.75) v8(159.31,15.35) v8(159.71,19.15) v8(159.71,18.75) v8(159.71,18.35) v8(159.71,16.15) v8(159.71,15.75) v8(159.71,15.35) v8(160.11,19.15) v8(160.11,18.75) v8(160.11,18.35) v8(160.11,16.15) v8(160.11,15.75) v8(160.11,15.35) v8(160.51,19.15) v8(160.51,18.75) v8(160.51,18.35) v8(160.51,16.15) v8(160.51,15.75) v8(160.51,15.35) v8(160.91,19.15) v8(160.91,18.75) v8(160.91,18.35) v8(160.91,16.15) v8(160.91,15.75) v8(160.91,15.35) v8(161.31,19.15) v8(161.31,18.75) v8(161.31,18.35) v8(161.31,16.15) v8(161.31,15.75) v8(161.31,15.35) v10(141.56,4.83) v11(37.89,6.15) v11(38.72,5.25) v11(38.8,16.72) v11(39.16,6.36) v11(40.18,13.22) v11(40.1,5.45) v11(40.21,16.68) v11(40.46,1.71) v11(41.35,0.71) v11(41.47,12.86) v11(41.64,16.69) v11(41.84,28.7) v11(41.8,3.51) v11(43.61,28.43) v11(43.68,23.91) v11(43.78,4.83) v11(43.78,0.78) v11(43.81,1.87) v11(44.7,3.66) v11(45.68,2.91) v11(45.67,0.8) v11(46.24,1.83) v11(47.66,2.76) v11(47.8,0.78) v11(48.43,1.81) v11(49.42,2.55) v11(49.74,18.77) v11(51.13,17.76) v11(51.75,14.07) v11(51.79,2.71) v11(52.02,28.77) v11(53.64,2.76) v11(53.92,8.24) v11(55.48,4.01) v11(55.75,3.01) v11(56.96,3.82) v11(57.49,1.79) v11(58.8,3.73) v11(61.59,18.96) v11(62.74,17.94) v11(63.72,17.01) v11(65.74,16.66) v11(72.08,13.17) v11(72.08,2.72) v11(73.32,13.79) v11(73.69,2.43) v11(73.94,14.22) v11(75.4,25.45) v11(75.56,13.73) v11(75.83,24.99) v11(91.46,8) v11(93.7,24.97) v11(94.28,24.32) v11(94.82,17.93) v11(95.78,24.68) v11(100.83,17.6) v11(100.92,23.64) v11(101.51,6.88) v11(102.5,24.23) v11(103.91,18.51) v11(105.45,18.25) v11(111.48,13.36) v11(113.59,13.13) v11(113.61,18.55) v11(115.55,28.87) v11(115.56,18.46) v11(115.81,2.84) v11(116.37,18) v11(117.85,2.69) v11(120.3,3.5) v11(120.64,17.86) v11(123.72,2.7) v11(123.81,16.73) v11(124.87,17.8) v11(125.59,11.81) v11(126.15,4.31) v11(126.46,13.16) v11(126.56,22.65) v11(126.75,12.52) v11(126.85,3.36) v11(127.03,11.87) v11(127.26,18.24) v11(127.79,22.69) v11(127.86,12.82) v11(128.03,11.19) v11(128.77,11.78) v11(129.75,12.41) v12(42.84,4.7) v12(43.89,29.36) v12(45.43,17.67) v12(45.47,13.22) v12(45.55,1.87) v12(45.84,29.38) v12(47.43,1.82) v12(47.6,17.36) v12(47.76,30.78) v12(48.85,1.86) v12(49.59,29.77) v12(49.76,0.9) v12(49.79,30.6) v12(51.21,29.61) v12(51.65,30.65) v12(51.82,2.07) v12(65.23,7.45) v12(69.77,2.62) v12(75.63,25.61) v12(77.9,27.75) v12(78.49,26.26) v12(79.87,29.62) v12(79.83,27.54) v12(81.57,29.91) v12(87.8,29.73) v12(90.12,2.79) v12(95.18,18.98) v12(97.17,18.6) v12(98.45,18.89) v12(99.17,2.66) v12(99.55,4.55) v12(100.11,4.08) v12(100.68,3.58) v12(109.75,4.66) v12(111.67,4.84) v12(113.78,3.89) v12(118.08,17.7) v12(118.69,13.14) v12(123.69,0.86) v12(124.15,1.53) v12(125.7,1.64) v12(126.67,4.39) v12(126.95,3.34) v12(126.96,1.7) v12(127.88,5.61) v12(127.89,2.65) v12(128.65,6.71) v13(43.22,12.82) v13(43.58,23.61) v13(52.27,13.29) v13(66.08,23.15) v13(66.72,17.41) v13(68.37,23.47) v13(68.43,17.31) v13(69.87,23.69) v13(70.4,7.26) v13(76.02,17.88) v13(78.06,18.25) v13(92.01,2.65) v13(93.83,7.41) v13(97.66,17.08) v13(97.68,4.69) v13(107.91,4.76) v13(111.12,18.67) v13(112.12,17.84) v13(113.75,7.13) v13(113.88,18.48) v13(114.73,18.49) v13(115,24.58) v14(37.75,3.71) v14(39.07,1.86) v14(39.47,3.43) v14(40.06,28.04) v14(40.95,1.06) v14(41.2,12.66) v14(41.22,3.7) v14(41.3,27.46) v14(42.17,8.15) v14(42.21,16.37) v14(42.51,11.3) v14(42.53,1.83) v14(42.87,12.63) v14(43.54,24.75) v14(43.81,19.34) v14(43.81,11.93) v14(43.93,4.06) v14(44.34,16.31) v14(44.7,0.7) v14(45.28,17.36) v14(45.23,1.78) v14(46.2,19.39) v14(46.4,24.89) v14(47.4,17.38) v14(47.81,4.05) v14(48.44,1.84) v14(49.88,29.21) v14(50.37,24.7) v14(50.5,16.76) v14(51.61,24.75) v14(51.91,3.61) v14(52.63,16.34) v14(52.82,4.35) v14(53.75,23.18) v14(54.5,1.71) v14(56.09,24.77) v14(56.76,1.47) v14(56.94,11.74) v14(57.39,24.77) v14(57.36,23.69) v14(59.06,23.68) v14(59.14,14.03) v14(59.09,11.38) v14(61.75,23.38) v14(62.86,1.89) v14(64.52,1.91) v14(66.25,2.28) v14(66.5,3.38) v14(67.64,23.07) v14(68.13,1.98) v14(68.34,18.8) v14(69.27,23.13) v14(69.4,19.48) v14(69.66,1.97) v14(70.35,8.55) v14(70.7,17.04) v14(71.67,9.85) v14(71.72,23.45) v14(72.02,8.27) v14(72.61,24.82) v14(72.86,23.09) v14(72.99,17.37) v14(73.29,9.75) v14(73.68,8.49) v14(73.98,24.56) v14(73.95,3.43) v14(75,8.28) v14(75.07,4.38) v14(75.18,9.93) v14(75.81,9.03) v14(75.88,6.79) v14(77.75,10.25) v14(79.16,25.16) v14(88.13,12.43) v14(89.79,26.22) v14(89.93,12.45) v14(90.21,22.67) v14(90.75,24.94) v14(90.96,19.01) v14(90.99,8.1) v14(92.2,6.78) v14(92.4,4.63) v14(92.69,2.18) v14(93.29,6.72) v14(93.41,3.45) v14(94.13,2.19) v14(94.57,9.59) v14(95.03,4.07) v14(95.78,8.32) v14(95.86,2.12) v14(96.03,17.36) v14(97.45,1.97) v14(97.61,23.08) v14(97.89,17.12) v14(99.15,23.19) v14(99.16,17.15) v14(99.82,24.33) v14(99.93,1.95) v14(101.19,2.05) v14(101.62,17.27) v14(101.89,19.06) v14(101.9,1.17) v14(102.31,17.17) v14(102.64,18.44) v14(103.34,19.41) v14(104.02,18.75) v14(104.95,4.45) v14(106.78,2.84) v14(110.27,2.69) v14(110.69,24.6) v14(112.51,23.5) v14(112.74,2.05) v14(112.99,19.76) v14(113.19,29.39) v14(113.16,17.42) v14(113.52,6.93) v14(114.07,18.66) v14(114.18,1.84) v14(116.28,17.51) v14(116.41,2.04) v14(116.57,4.83) v14(118.57,4.85) v14(119.09,17.17) v14(119.14,2.02) v14(119.32,3.56) v14(120.15,2.56) v14(121.57,2.56) v14(121.64,17.71) v14(122.17,6.82) v14(122.48,3.31) v14(122.78,25.01) v14(122.82,12.3) v14(123.48,1.92) v14(123.71,12.67) v14(124.26,27.99) v14(124.28,21.46) v14(124.25,6.7) v14(124.36,17.09) v14(124.3,1.09) v14(124.41,13.93) v14(124.39,3.56) v14(124.95,13.88) v14(125.13,4.36) v14(125.18,2.07) v14(125.41,27.27) v14(125.55,7.16) v14(125.62,24.95) v14(125.8,22.94) v14(126.46,28.08)
